# Altium PCB DTU_V1.0.PcbDoc (part 1 of 3)
Units mil, origin at the board's own origin, x right, y up, seen from the top; angles counter-clockwise.
Board outline 7874.02 x 4133.86 mil, 2 copper layers (Top Layer, Bottom Layer); 331 components, 284 nets, 1278 pads, 2035 vias.
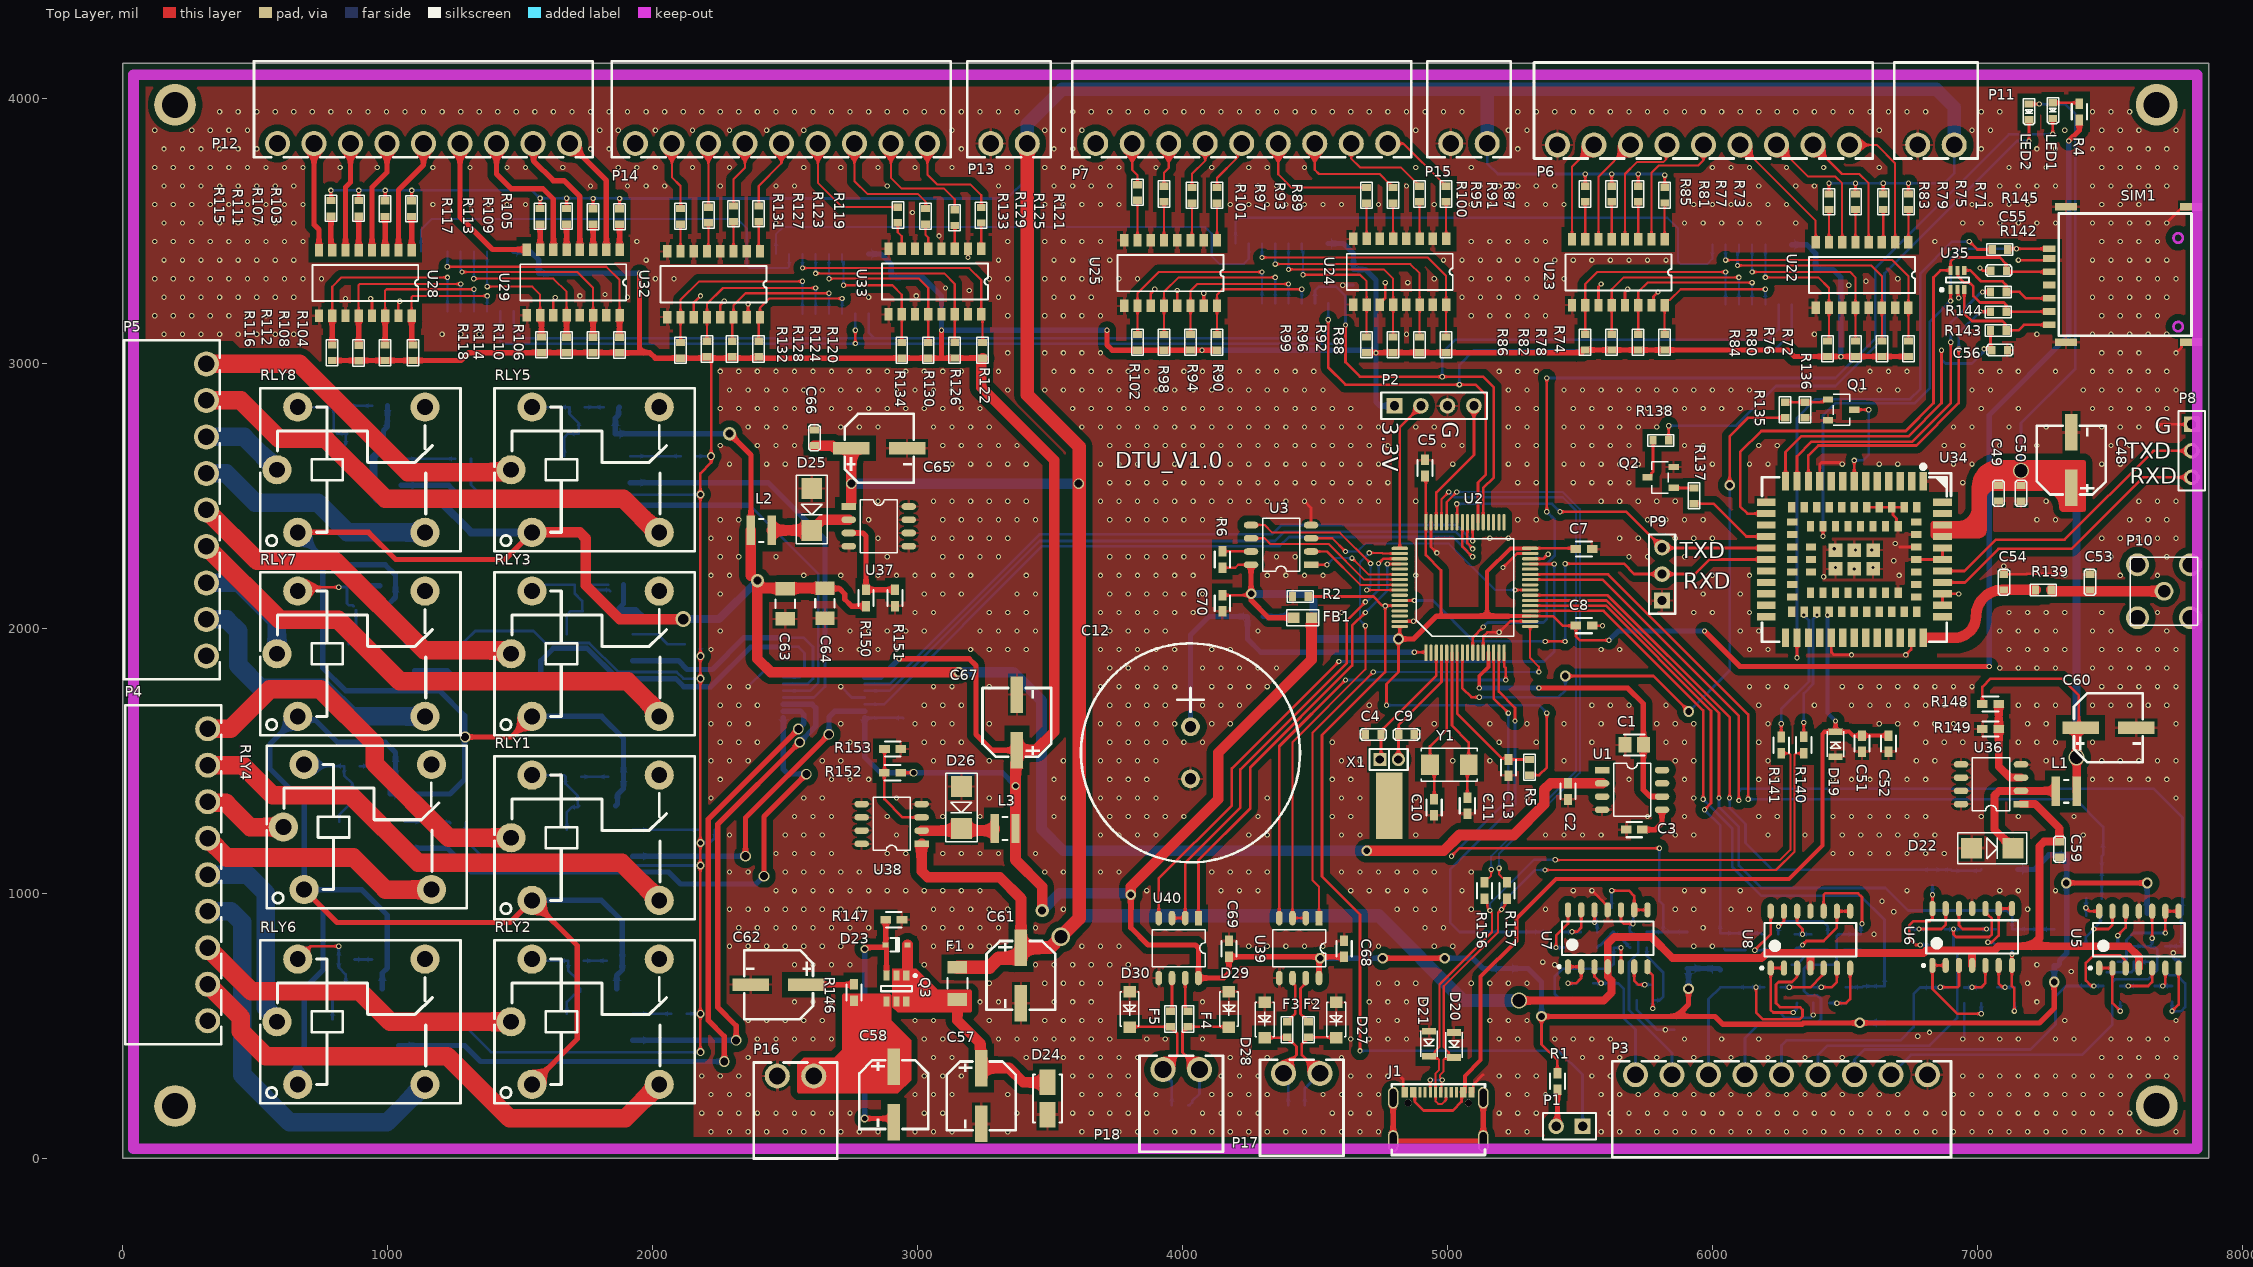
[diagram p0: Top Layer view]
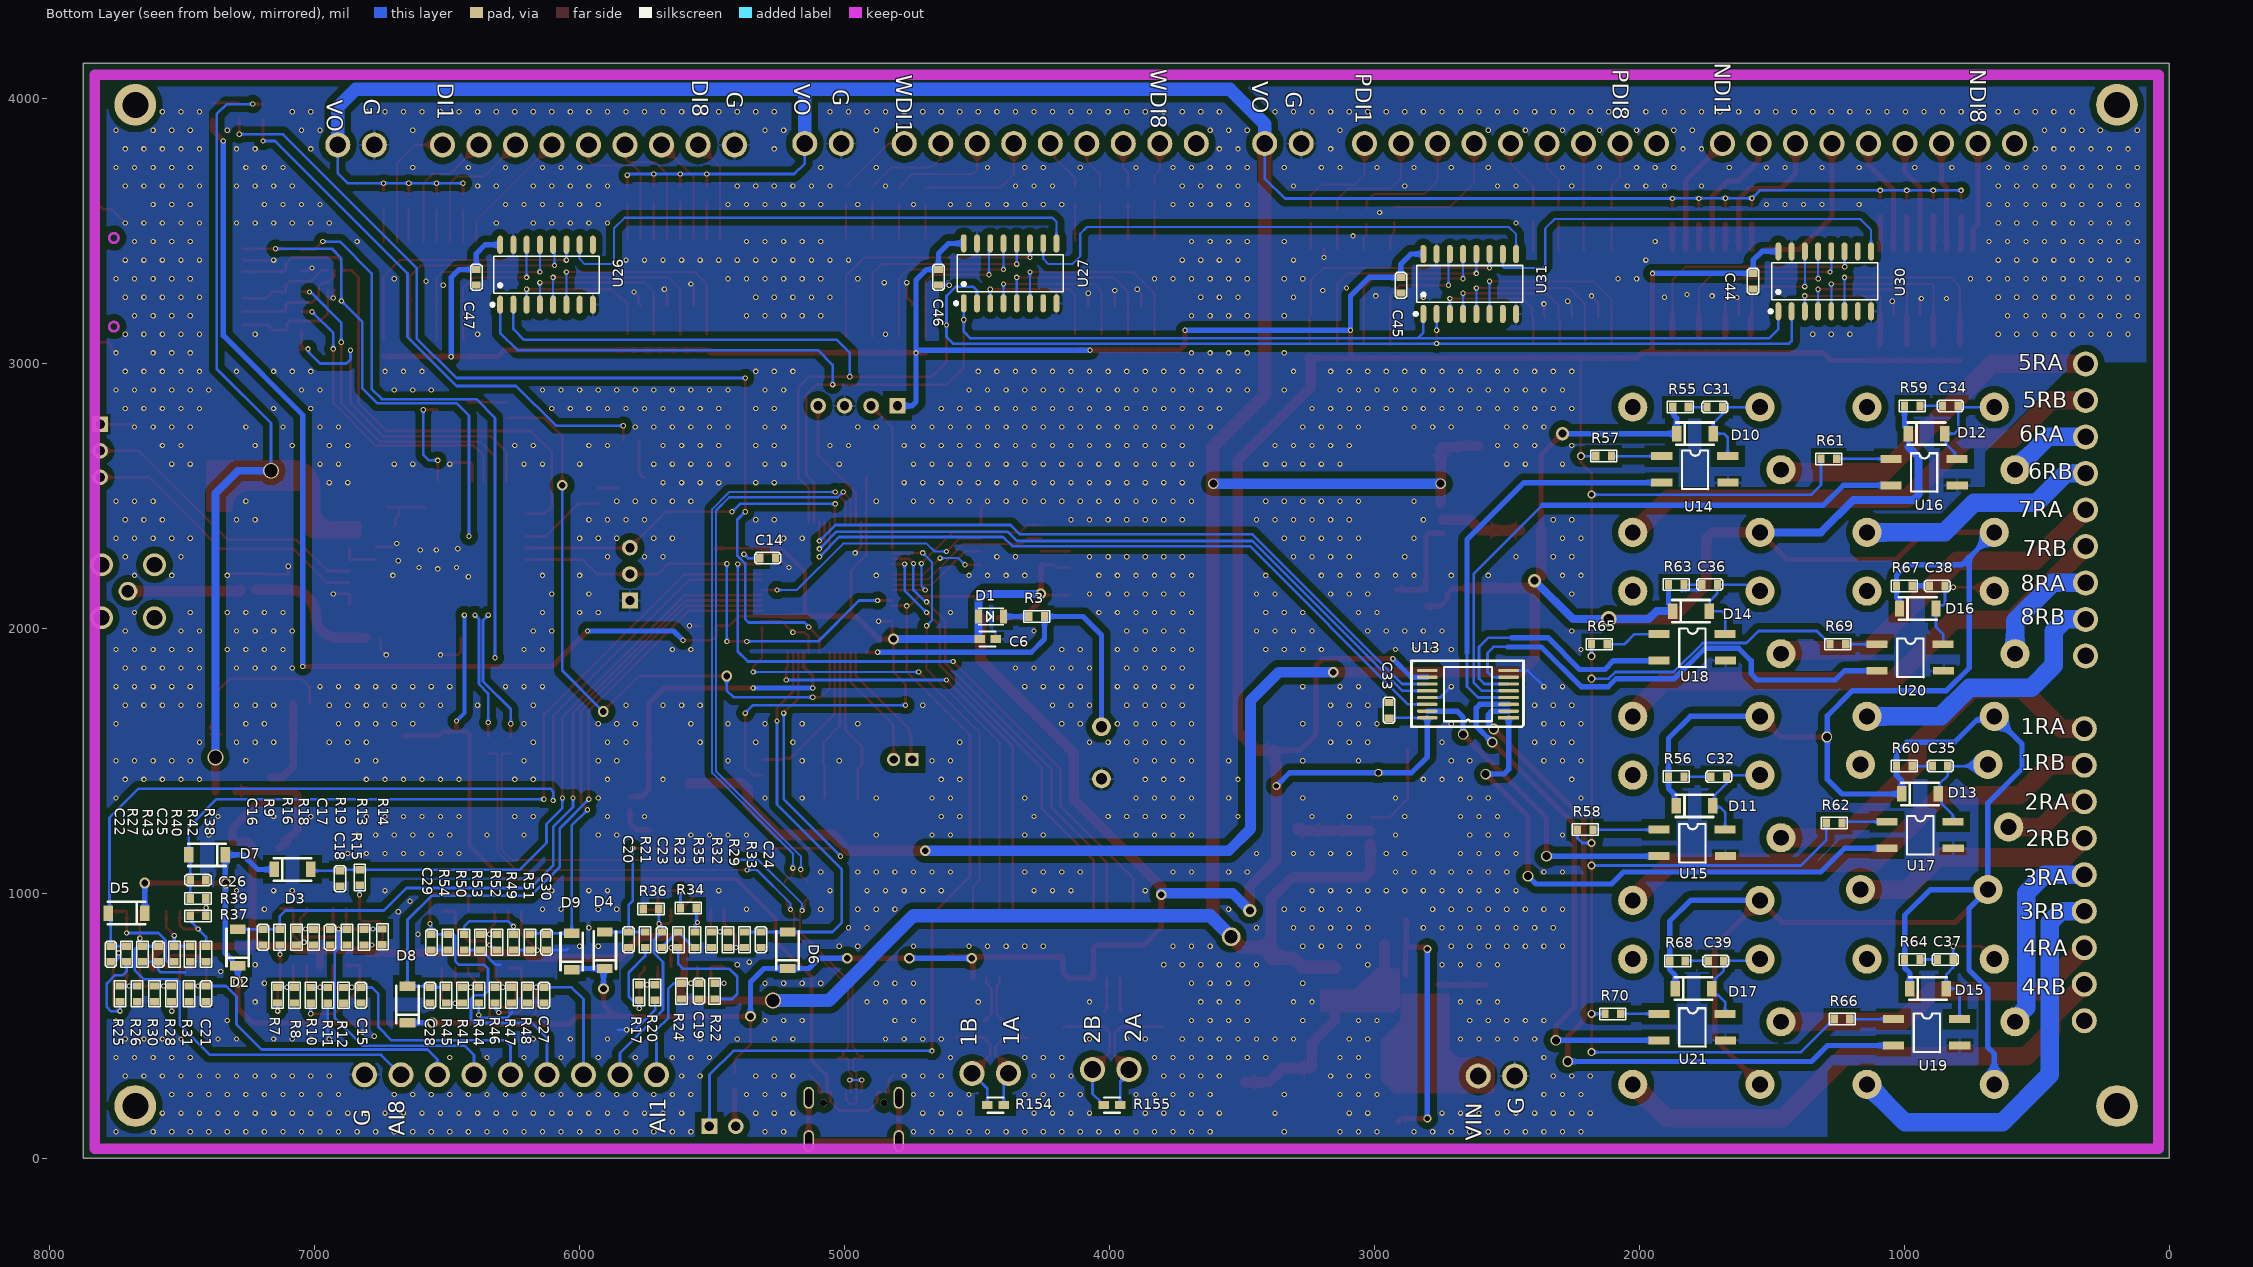
[diagram p1: Bottom Layer view, seen from below]

## Layer stack, top to bottom
Top Solder: solder mask 0.4, Solder Resist, Dk 3.5
Top Layer: signal copper 1.4
Dielectric 1: dielectric 12.6, FR-4, Dk 4.8
Bottom Layer: signal copper 1.4
Bottom Solder: solder mask 0.4, Solder Resist, Dk 3.5

## Board outline
0,0 0,4133.86 7874.02,4133.86 7874.02,0

## Design rules (kind name [scope] priority, off if disabled: settings)
Clearance Clearance_2 [InNet('ANT')] p1: gap=40 ignorepadtopadclearanceinfootprint=FALSE
Clearance Clearance_1 [InPolygon] p2: gap=25 ignorepadtopadclearanceinfootprint=FALSE
Clearance [All] p3: gap=5 ignorepadtopadclearanceinfootprint=FALSE
DiffPairsRouting [All] p1: maxlimit=10 minlimit=6 mostfreqgap=8 toplayer_minwidth=6 toplayer_maxwidth=200 toplayer_prefwidth=8 bottomlayer_minwidth=6 bottomlayer_maxwidth=200 bottomlayer_prefwidth=8 maxuncoupledlength=500
MinimumSolderMaskSliver [All] p1: minsoldermaskwidth=5
PolygonConnect PolygonConnect_1 [IsVia] p1: connectstyle=Direct reliefconductorwidth=10 reliefentries=4 polygonreliefangle="90 Angle" airgapwidth=10
PolygonConnect [All] p2: connectstyle=Relief reliefconductorwidth=10 reliefentries=4 polygonreliefangle="90 Angle" airgapwidth=10
RoutingVias [All] p1: holewidth=28 width=50 viastyle="Through Hole" minholewidth=28 minwidth=50 maxholewidth=28 maxwidth=50
SilkToSilkClearance [All] p1: silktosilkclearance=2
SilkToSolderMaskClearance [IsPad] p1: minsilkscreentomaskgap=0 clearancetoexposedcopper=TRUE
SolderMaskExpansion [All] p1: expansion=4 istentingtop=FALSE
Width [All] p1: maxlimit=200 minlimit=5 preferedwidth=10
26 further rules are at their usual default settings.

## Classes and differential pairs
component class rs485: C68 C69 D27 D28 D29 D30 F2 F3 F4 F5 P17 P18 R154 R155 U39 U40
component class relay: C31 C32 C33 C34 C35 C36 C37 C38 C39 D10 D11 D12 D13 D14 D15 D16 D17 P4 P5 R55 R56 R57 R58 R59 R60 R61 R62 R63 R64 R65 R66 R67 R68 R69 R70 RLY1 RLY2 RLY3 RLY4 RLY5 RLY6 RLY7 RLY8 U13 U14 U15 U16 U17 U18 U19 U20 U21
component class power: C57 C58 C59 C60 C61 C62 C63 C64 C65 C66 C67 D22 D23 D24 D25 D26 F1 L1 L2 L3 P16 Q3 R146 R147 R148 R149 R150 R151 R152 R153 U36 U37 U38
component class lte: C48 C49 C50 C51 C52 C53 C54 C55 C56 D19 D20 D21 J1 LED2 P8 P9 P10 Q1 Q2 R135 R136 R137 R138 R139 R140 R141 R142 R143 R144 R145 SIM1 U34 U35
component class DI: C44 C45 C46 C47 P6 P7 P11 P12 P13 P14 P15 R71 R72 R73 R74 R75 R76 R77 R78 R79 R80 R81 R82 R83 R84 R85 R86 R87 R88 R89 R90 R91 R92 R93 R94 R95 R96 R97 R98 R99 R100 R101 R102 R103 R104 R105 R106 R107 R108 R109 R110 R111 R112 R113 R114 R115 R116 R117 R118 R119 R120 R121 R122 R123 R124 R125 R126 R127 R128 R129 R130 R131 R132 R133 R134 S U22 U23 U24 U25 U26 U27 U28 U29 U30 U31 U32 U33
component class cpu: C1 C2 C3 C4 C5 C6 C7 C8 C9 C10 C11 C12 C13 C14 C70 D1 FB1 LED1 P1 P2 R1 R2 R3 R4 R5 R6 R156 R157 U1 U2 U3 X1 Y1
component class ai: C15 C16 C17 C18 C19 C20 C21 C22 C23 C24 C25 C26 C27 C28 C29 C30 D2 D3 D4 D5 D6 D7 D8 D9 P3 R7 R8 R9 R10 R11 R12 R13 R14 R15 R16 R17 R18 R19 R20 R21 R22 R23 R24 R25 R26 R27 R28 R29 R30 R31 R32 R33 R34 R35 R36 R37 R38 R39 R40 R41 R42 R43 R44 R45 R46 R47 R48 R49 R50 R51 R52 R53 R54 U5 U6 U7 U8
differential pair USB: +USB_P -USB_N
differential pair 485: +485_P -485_N
differential pair 485B: +485B_P -485B_N

## Components (designator, comment, footprint, x,y, rotation, side; value= is the part's Value field where it differs from the comment)
C1 "10uF/50V" CAPC2012X127N_0805 5705,1560 r0 top
C2 "1uF/50V" CAPC1608X092N_0603 5455,1385 r90 top
C3 "1uF/50V" CAPC1608X092N_0603 5705,1240 r180 top
C4 "4.7pF/50V" 0603C 4749.06,1600 r180 top value=4.7pF
C5 "0.1uF/50V" CAPC1608X092N_0603 4915,2605 r270 top
C6 "0.1uF/50V" CAPC1608X092N_0603 4460,1960 r0 bottom
C7 "0.1uF/50V" CAPC1608X092N_0603 5515,2300 r180 top
C8 "0.1uF/50V" CAPC1608X092N_0603 5515,2010 r180 top
C9 "4.7pF/50V" 0603C 4815.94,1600 r0 top
C10 "20pF/25V" CAPC1608X092N_0603 4950,1324.02 r270 top value=20pF/50V
C11 "20pF/25V" CAPC1608X092N_0603 5075,1330 r270 top value=20pF/50V
C12 "CEN5R5155CF-ZG" CAP-TH_BD21.0-P5.00-D0.8_CENXXX-CF 4030,1530 r270 top
C13 "0.1uF/50V" CAPC1608X092N_0603 5230,1475 r90 top
C14 "2.2uF/50V" 0603C 5320,2265 r180 bottom
C15 "0.1uF/50V" 0603C 6825.71,585.94 r90 bottom
C16 "100nF/50V" 0603C 7195.71,805 r90 bottom
C17 "0.1uF/50V" 0603C 6941.43,805 r90 bottom
C18 "100nF/50V" 0603C 6905,1025.94 r90 bottom
C19 "0.1uF/50V" 0603C 5550,600.94 r90 bottom
C20 "100nF/50V" 0603C 5815,795 r90 bottom
C21 "0.1uF/50V" 0603C 7410,590.94 r90 bottom
C22 "100nF/50V" 0603C 7770,740.94 r90 bottom
C23 "0.1uF/50V" 0603C 5690,795 r90 bottom
C24 "100nF/50V" 0603C 5315,795 r90 bottom
C25 "0.1uF/50V" 0603C 7590,740.94 r90 bottom
C26 "100nF/50V" 0603C 7410.94,1050 r0 bottom
C27 "0.1uF/50V" 0603C 6135,585.94 r90 bottom
C28 "100nF/50V" 0603C 6565,585.94 r90 bottom
C29 "0.1uF/50V" 0603C 6560,785.94 r90 bottom
C30 "100nF/50V" 0603C 6125,785.94 r90 bottom
C31 "0.1uF/50V" 0603C 1685,2835 r0 bottom
C32 "0.1uF/50V" 0603C 1670.94,1440 r0 bottom
C33 "0.1uF/50V" 0603C 2945,1660.94 r90 bottom value=0.1uF
C34 "0.1uF/50V" 0603C 795.94,2840 r0 bottom
C35 "0.1uF/50V" 0603C 835,1480 r0 bottom
C36 "0.1uF/50V" 0603C 1705,2165 r0 bottom
C37 "0.1uF/50V" 0603C 815,750 r0 bottom
C38 "0.1uF/50V" 0603C 845.94,2160 r0 bottom
C39 "0.1uF/50V" 0603C 1680.94,745 r0 bottom
C44 "10nF/50V" 0603C 1570,3280.94 r90 bottom
C45 "10nF/50V" 0603C 2900,3265.94 r90 bottom
C46 "10nF/50V" 0603C 4645,3295.94 r90 bottom
C47 "10nF/50V" 0603C 6390,3295.94 r90 bottom
C48 "100uF/50V" CAP-SMD_BD6.3-L6.5-W6.5-LS7.0-FD 7355,2635.12 r90 top
C49 "100nF/50V" 0603C 7080,2480.94 r90 top
C50 "33pF/50V" 0603C 7165,2480 r90 top
C51 "1uF/50V" CAPC1608X092N_0603 6565,1565 r90 top
C52 "0.1uF/50V" CAPC1608X092N_0603 6665,1565 r90 top
C53 "NC" 0603c 7425,2145 r90 top
C54 "NC" 0603c 7100,2145 r90 top
C55 "0.1uF/50V" 0603c 7050.94,3350 r0 top value=0.1uF/10V
C56 "0.1uF/50V" 0603c 7055,3050 r0 top value=0.1uF/10V
C57 "100uF/50V" CAP-SMD_BD6.3-L6.5-W6.5-LS7.0-FD 3240,235.11 r270 top
C58 "100uF/50V" CAP-SMD_BD6.3-L6.5-W6.5-LS7.0-FD 2910,240 r270 top
C59 "0.1uF/50V" 0603C 7310,1135.94 r90 top
C60 "100uF/50V" CAP-SMD_BD6.3-L6.5-W6.5-LS7.0-FD 7495,1625 r0 top
C61 "100uF/50V" CAP-SMD_BD6.3-L6.5-W6.5-LS7.0-FD 3390,690 r270 top
C62 "100uF/50V" CAP-SMD_BD6.3-L6.5-W6.5-LS7.0-FD 2475,655 r180 top
C63 "0.1uF/35V" CAPC3216X156N_1206 2500,2092.91 r270 top
C64 "22uF/35V" CAPC3216X156N_1206 2650,2095 r270 top
C65 "100uF/50V" CAP-SMD_BD6.3-L6.5-W6.5-LS7.0-FD 2855,2680 r0 top
C66 "0.1uF/50V" 0603C 2610,2749.06 r270 top
C67 "100uF/50V" CAP-SMD_BD6.3-L6.5-W6.5-LS7.0-FD 3375,1645 r90 top
C68 "0.1u/50V" CAPC1608X092N_0603 4610,790.98 r90 top
C69 "0.1u/50V" CAPC1608X092N_0603 4175,790.98 r90 top
C70 "0.1uF/50V" CAPC1608X092N_0603 4150,2095 r90 top
D1 "1N4148WS" SOD323 4494.49,2045 r180 bottom
D2 "LL4148" DO-213AB/LL34/MiniMELF 7290.71,795 r90 bottom
D3 "LL4148" DO-213AB/LL34/MiniMELF 7083.9,1090 r180 bottom
D4 "LL4148" DO-213AB/LL34/MiniMELF 5905,785 r90 bottom
D5 "LL4148" DO-213AB/LL34/MiniMELF 7710,925 r0 bottom
D6 "LL4148" DO-213AB/LL34/MiniMELF 5215,785 r90 bottom
D7 "LL4148" DO-213AB/LL34/MiniMELF 7406.1,1145 r0 bottom
D8 "LL4148" DO-213AB/LL34/MiniMELF 6650,580 r90 bottom
D9 "LL4148" DO-213AB/LL34/MiniMELF 6030,780 r90 bottom
D10 "LL4148" DO-213AB/LL34/MiniMELF 1790,2735 r180 bottom
D11 "LL4148" DO-213AB/LL34/MiniMELF 1791.1,1330 r180 bottom
D12 "LL4148" DO-213AB/LL34/MiniMELF 915,2735 r180 bottom
D13 "LL4148" DO-213AB/LL34/MiniMELF 940,1375 r180 bottom
D14 "LL4148" DO-213AB/LL34/MiniMELF 1805,2065 r180 bottom
D15 "LL4148" DO-213AB/LL34/MiniMELF 910,640 r180 bottom
D16 "LL4148" DO-213AB/LL34/MiniMELF 948.9,2075 r180 bottom
D17 "LL4148" DO-213AB/LL34/MiniMELF 1795,640 r180 bottom
D19 "CESDB5V0D3" SOD323 6465,1515.51 r90 top
D20 "CESDB5V0D3" SOD323 5025,474.49 r270 top
D21 "CESDB5V0D3" SOD323 4930,479.49 r270 top
D22 "SS34" SMA 6977.52,1170 r0 top
D23 "BZT52C12S-7-F" DIOD-SOD323-2_V 2920,805 r0 top
D24 "SMAJ33CA" LFUS-DO-214AC-A-2_N 3490,225 r90 top
D25 "SS34" SMA 2600,2527.48 r270 top
D26 "SS34" SMA 3165,1402.48 r270 top
D27 "SMF6.5CA" SOD123 4580,588.27 r270 top value=SMBJ6.5A
D28 "SMF6.5CA" SOD123 4310,588.27 r270 top value=SMBJ6.5A
D29 "SMF6.5CA" SOD123 4175,628.27 r270 top value=SMBJ6.5A
D30 "SMF6.5CA" SOD123 3800,628.27 r270 top value=SMBJ6.5A
F1 "30V/1000mA" RESC3216X070N_1206 3150,660 r90 top value=30V/500mA
F2 "BSMD0603-010-33V" 0603R 4475,455.94 r90 top
F3 "BSMD0603-010-33V" 0603R 4395,455.94 r90 top
F4 "BSMD0603-010-33V" 0603R 4020,495.94 r90 top
F5 "BSMD0603-010-33V" 0603R 3955,495.94 r90 top
FB1 "FBC0603" FBC0603 4486.93,2040 r180 top value="600 Ohms @ 100MHz"
J1 "TYPEC-304J-BCP16" TYPEC_16P 4965,80 r0 top
L1 "FXL0650-470-M" PULS-BDCD00252012_V 7335.63,1385 r180 top
L2 "FXL0650-470-M" PULS-BDCD00252012_V 2410,2370 r0 top
L3 "FXL0650-470-M" PULS-BDCD00252012_V 3330,1245 r180 top
LED1 "5V" 0603LED 7285,3984.06 r270 top
LED2 "LED_Green_19-217" 0603led 7195,3979.06 r270 top value=19-217/G7C-AN1P2/3T
P1 "Header 2" HDR1X2 5510,120 r180 top
P2 "Header 4" HDR1X4 4800,2840 r0 top
P3 "KF2EDGR-3.5-9P" CONN-TH_9P-P3.50_KF2EDGR-3.5-9P 6261.19,315 r0 top
P4 "KF2EDGR-3.5-9P" CONN-TH_9P-P3.50_KF2EDGR-3.5-9P 320,1070 r270 top
P5 "KF2EDGR-3.5-9P" CONN-TH_9P-P3.50_KF2EDGR-3.5-9P 315,2447.2 r270 top
P6 "KF2EDGR-3.5-9P" CONN-TH_9P-P3.50_KF2EDGR-3.5-9P 5966.18,3825 r180 top
P7 "KF2EDGR-3.5-9P" CONN-TH_9P-P3.50_KF2EDGR-3.5-9P 4223.38,3830 r180 top
P8 "Header 3" HDR1X3 7810,2770 r270 top
P9 "Header 3" HDR1X3 5810,2105 r90 top
P10 "Header 5" KH-SMA-KE-Z 7705,2140 r0 top
P11 "KF2EDGR-3.5-2P" CONN-TH_P3.50_KF2EDGR-3.5-2P 6843.9,3825 r180 top
P12 "KF2EDGR-3.5-9P" CONN-TH_9P-P3.50_KF2EDGR-3.5-9P 1134.4,3830 r180 top
P13 "KF2EDGR-3.5-2P" CONN-TH_P3.50_KF2EDGR-3.5-2P 3345,3830 r180 top
P14 "KF2EDGR-3.5-9P" CONN-TH_9P-P3.50_KF2EDGR-3.5-9P 2485.59,3830 r180 top
P15 "KF2EDGR-3.5-2P" CONN-TH_P3.50_KF2EDGR-3.5-2P 5081.1,3830 r180 top
P16 "KF2EDGR-3.5-2P" CONN-TH_P3.50_KF2EDGR-3.5-2P 2538.9,310 r0 top
P17 "KF2EDGR-3.5-2P" CONN-TH_P3.50_KF2EDGR-3.5-2P 4450,320 r0 top
P18 "KF2EDGR-3.5-2P" CONN-TH_P3.50_KF2EDGR-3.5-2P 3995,335 r0 top
Q1 "MMBT3904" SOT23-3 6436.57,2864.37 r180 top
Q2 "MMBT3904" SOT23-3 5853.43,2530.63 r0 top
Q3 "SQ3419AEEV-T1_GE3" VISH-TSOP-6_V 2920,640 r270 top
R1 "10k/1%" RESC1608X055N_0603 5415,290 r270 top
R2 "100K" 0603R 4474.06,2120 r180 top
R3 "49.9" 0603R 4304.06,2045 r180 bottom
R4 "1k/1%" RESC1608X055N_0603 7385,3950 r270 top
R5 "10k/1%" 0603R 5310,1505 r270 top value=10K
R6 "10k/1%" RESC1608X055N_0603 4150,2260 r90 top
R7 "2.4K/1%" 0603R 7140.71,645 r270 bottom
R8 "12K/1%" 0603R 7075.71,585.94 r90 bottom
R9 "1K/1%" 0603R 7132.14,805 r90 bottom
R10 "12K/1%" 0603R 7015,585 r90 bottom
R11 "2.4K/1%" 0603R 6950.71,644.06 r270 bottom
R12 "499/1%" 0603R 6890.71,644.06 r270 bottom
R13 "2.4K/1%" 0603R 6814.29,864.06 r270 bottom
R14 "12K/1%" 0603R 6745,805.94 r90 bottom
R15 "1K/1%" 0603R 6830,1030 r90 bottom
R16 "12K/1%" 0603R 7068.57,805 r90 bottom
R17 "2.4K/1%" 0603R 5775,655 r270 bottom
R18 "2.4K/1%" 0603R 7005,864.06 r270 bottom
R19 "499/1%" 0603R 6877.86,864.06 r270 bottom
R20 "12K/1%" 0603R 5715,595.94 r90 bottom
R21 "1K/1%" 0603R 5752.5,795 r90 bottom
R22 "12K/1%" 0603R 5490,660 r270 bottom
R23 "2.4K/1%" 0603R 5627.5,795 r90 bottom
R24 "499/1%" 0603R 5615,660 r270 bottom
R25 "2.4K/1%" 0603R 7735,650 r270 bottom
R26 "12K/1%" 0603R 7670,590.94 r90 bottom
R27 "1K/1%" 0603R 7710,740.94 r90 bottom
R28 "12K/1%" 0603R 7540,590.94 r90 bottom
R29 "2.4K/1%" 0603R 5440,854.06 r270 bottom
R30 "2.4K/1%" 0603R 7605,650 r270 bottom
R31 "499/1%" 0603R 7475,650 r270 bottom
R32 "12K/1%" 0603R 5502.5,795 r90 bottom
R33 "1K/1%" 0603R 5377.5,795 r90 bottom
R34 "12K/1%" 0603R 5619.06,945 r180 bottom
R35 "2.4K/1%" 0603R 5565,854.06 r270 bottom
R36 "499/1%" 0603R 5700.94,940 r0 bottom
R37 "2.4K/1%" 0603R 7470,915 r180 bottom
R38 "12K/1%" 0603R 7410,740.94 r90 bottom
R39 "1K/1%" 0603R 7410.94,980 r0 bottom
R40 "12K/1%" 0603R 7530,740.94 r90 bottom
R41 "2.4K/1%" 0603R 6442.14,645 r270 bottom
R42 "2.4K/1%" 0603R 7470,800 r270 bottom
R43 "499/1%" 0603R 7650,800 r270 bottom
R44 "12K/1%" 0603R 6380.71,585.94 r90 bottom
R45 "1K/1%" 0603R 6503.57,585.94 r90 bottom
R46 "12K/1%" 0603R 6319.29,585.94 r90 bottom
R47 "2.4K/1%" 0603R 6257.86,645 r270 bottom
R48 "499/1%" 0603R 6196.43,645 r270 bottom
R49 "2.4K/1%" 0603R 6249.29,845 r270 bottom
R50 "12K/1%" 0603R 6435.71,785.94 r90 bottom
R51 "1K/1%" 0603R 6187.14,785.94 r90 bottom
R52 "12K/1%" 0603R 6311.43,785.94 r90 bottom
R53 "2.4K/1%" 0603R 6373.57,845 r270 bottom
R54 "499/1%" 0603R 6497.86,845 r270 bottom
R55 "51K" 0603R 1815,2835 r0 bottom
R56 "51K" 0603R 1830.94,1440 r0 bottom
R57 "510" 0603R 2105,2650 r0 bottom
R58 "510" 0603R 2175,1240 r0 bottom
R59 "51K" 0603R 940,2840 r0 bottom
R60 "51K" 0603R 970,1480 r0 bottom
R61 "510" 0603R 1255,2640 r0 bottom
R62 "510" 0603R 1235,1265 r0 bottom
R63 "51K" 0603R 1830.94,2165 r0 bottom
R64 "51K" 0603R 940,750 r0 bottom
R65 "510" 0603R 2120.94,1940 r0 bottom
R66 "510" 0603R 1205,525 r0 bottom
R67 "51K" 0603R 970,2160.47 r0 bottom
R68 "51K" 0603R 1825.94,745 r0 bottom
R69 "510" 0603R 1220.94,1940 r0 bottom
R70 "510" 0603R 2070,545 r0 bottom
R71 "3.3K" 0603R 6740,3580.94 r90 top
R72 "5.1K" 0603R 6740,3025.94 r90 top
R73 "3.3K" 0603R 5820,3605.94 r90 top
R74 "5.1K" 0603R 5820,3050.94 r90 top
R75 "3.3K" 0603R 6645,3580.94 r90 top
R76 "5.1K" 0603R 6640,3025.94 r90 top
R77 "3.3K" 0603R 5720,3610 r90 top
R78 "5.1K" 0603R 5720,3050.94 r90 top
R79 "3.3K" 0603R 6540,3580.94 r90 top
R80 "5.1K" 0603R 6540,3025.94 r90 top
R81 "3.3K" 0603R 5620,3610 r90 top
R82 "5.1K" 0603R 5620,3050.94 r90 top
R83 "3.3K" 0603R 6440,3580.94 r90 top
R84 "5.1K" 0603R 6435,3025.94 r90 top
R85 "3.3K" 0603R 5520,3610 r90 top
R86 "5.1K" 0603R 5520,3050.94 r90 top
R87 "3.3K" 0603R 4995,3610 r90 top
R88 "5.1K" 0603R 4995,3040.94 r90 top
R89 "3.3K" 0603R 4130,3605 r90 top
R90 "5.1K" 0603R 4130,3050 r90 top
R91 "3.3K" 0603R 4895,3610 r90 top
R92 "5.1K" 0603R 4895,3040.94 r90 top
R93 "3.3K" 0603R 4035,3605 r90 top
R94 "5.1K" 0603R 4030,3050.94 r90 top
R95 "3.3K" 0603R 4795,3605 r90 top
R96 "5.1K" 0603R 4795,3040.94 r90 top
R97 "3.3K" 0603R 3930,3610 r90 top
R98 "5.1K" 0603R 3930,3050 r90 top
R99 "5.1K" 0603R 4695,3040.94 r90 top
R100 "3.3K" 0603R 4695,3605 r90 top
R101 "3.3K" 0603R 3830,3615.94 r90 top
R102 "5.1K" 0603R 3830,3050 r90 top
R103 "3.3K" 0603R 1090,3555 r90 top
R104 "5.1K" 0603R 1095,3010.94 r90 top
R105 "3.3K" 0603R 1875,3525 r90 top
R106 "5.1K" 0603R 1875,3040 r90 top
R107 "3.3K" 0603R 990,3555 r90 top
R108 "5.1K" 0603R 990,3010.94 r90 top
R109 "3.3K" 0603R 1775,3525 r90 top
R110 "5.1K" 0603R 1775,3040 r90 top
R111 "3.3K" 0603R 890,3555.94 r90 top
R112 "5.1K" 0603R 890,3010 r90 top
R113 "3.3K" 0603R 1675,3525.94 r90 top
R114 "5.1K" 0603R 1675,3040 r90 top
R115 "3.3K" 0603R 785,3555.94 r90 top
R116 "5.1K" 0603R 790,3010.94 r90 top
R117 "3.3K" 0603R 1575,3525.94 r90 top
R118 "5.1K" 0603R 1580,3040.94 r90 top
R119 "3.3K" 0603R 2400,3535 r90 top
R120 "5.1K" 0603R 2400,3025 r90 top
R121 "3.3K" 0603R 3240,3530 r90 top
R122 "5.1K" 0603R 3245,3020 r90 top
R123 "3.3K" 0603R 2305,3535 r90 top
R124 "5.1K" 0603R 2300,3025 r90 top
R125 "3.3K" 0603R 3140,3520.94 r90 top
R126 "5.1K" 0603R 3140,3020.94 r90 top
R127 "3.3K" 0603R 2210,3530.94 r90 top
R128 "5.1K" 0603R 2205,3025 r90 top
R129 "3.3K" 0603R 3030,3525.94 r90 top
R130 "5.1K" 0603R 3040,3020 r90 top